# Altium PCB PCBV2.PcbDoc (continued)
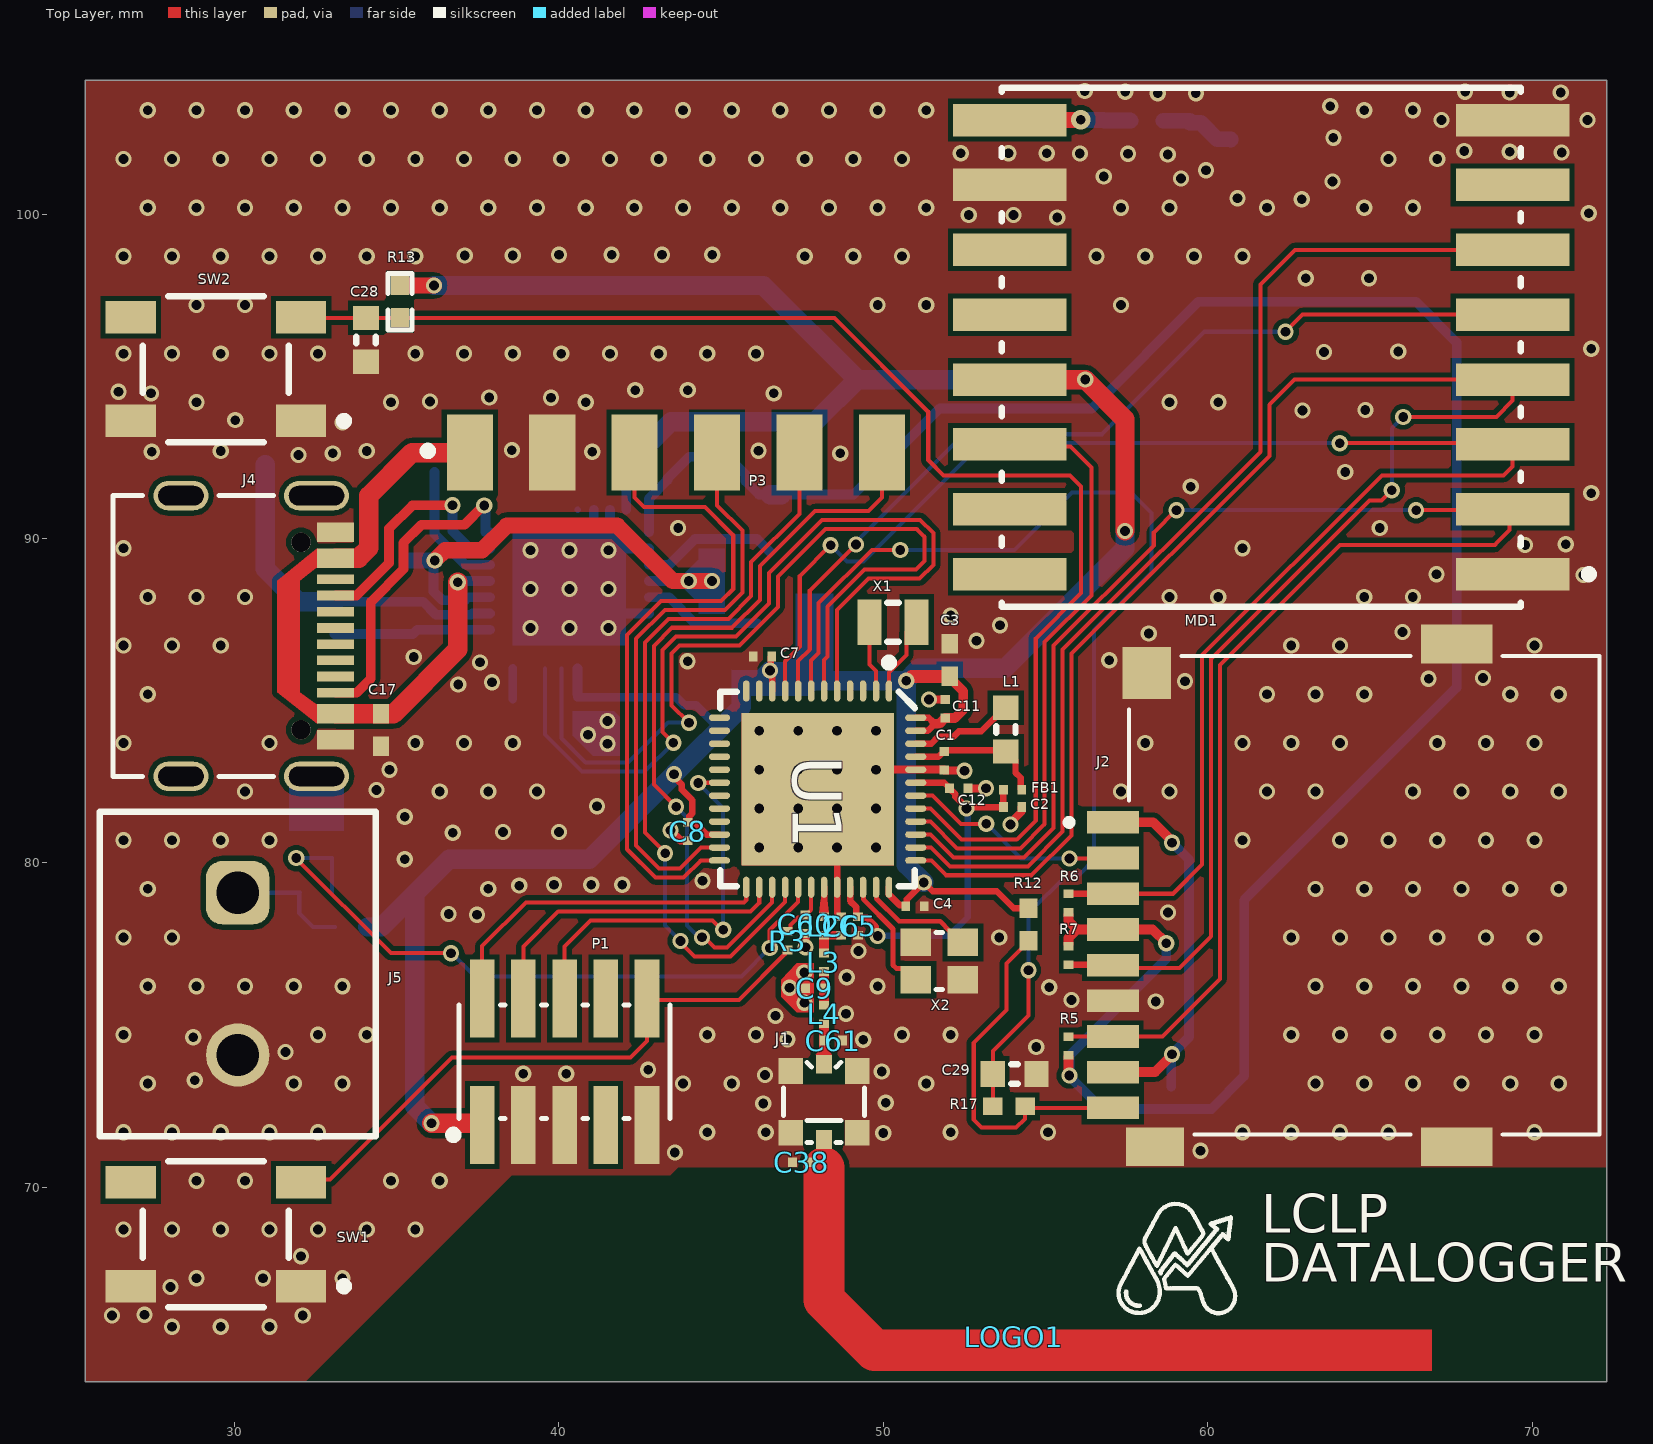
[diagram p0: Top Layer view]
## Part data (continued)
LOGO1: library part "Nordic Logo lying", "Nordic logo lying", Manufacturer=N.A., Part number NEMS=101100001, Artikkelnr Noca=N.A., Author=rsk, Component Class=Markings, Component Status=Active, ComponentLink1Description=Datasheet, ComponentLink1URL=N.A., ComponentLink2Description="Supplier link", ComponentLink2URL=N.A., Footprint Doc="Nordic Logo", HelpURL=N.A., LatestRevisionDate=2017-03-20, Manufacturer Part Number=N.A., Note=N.A., Pad Count=0, Part Number="Nordic Logo lying", Part number IPS=N.A., Part number Norautron=N.A., PartId=101100001, Published=2017-09-01, Supplier 1=N.A., Supplier 2=N.A., Supplier Part Number 1=N.A., Supplier Part Number 2=N.A.
MD1: library part CMP-00000-1, "RFM95W LoRA Transceiver Module 868MHz", Case/Package=SMD/SMT, Clock Frequency=868MHz, Current - Receiving=13.8mA, Current - Transmitting=120mA, Max Junction Temperature (Tj)=125°C, Max Operating Temperature=70°C, Max Supply Voltage=3.7V, Min Operating Temperature=-20°C, Min Supply Voltage=1.8V, Nominal Supply Current=5.8mA, Data Rate=300kbps, Frequency=868MHz, Height=1.8mm, Interface=SPI, Mounting Technology="Surface Mount", Number of GPIO=6, RoHS=Compliant, Sensitivity (dBm)=-123dBm
P1: library part "Pin Header 2x5 SMD, 1.27mm, KS", "Pin Header 2x5, 1.27mm (50mil), SMD, Keying Shroud", Manufacturer=WCON, Manufacturer Part Number=3132-10MS0BK00R5, Part number IPS=N.A., Part number NEMS=100500261, Artikkelnr Noca=N.A., Author=rsk, Component Class=Connectors, Component Status=Active, ComponentLink1Description=Datasheet, ComponentLink1URL=N.A., ComponentLink2Description="Supplier link", ComponentLink2URL=N.A., Footprint Doc=HDR_2x5-SMD-1.27mm, HelpURL=\\hizz\pro\app9717\Datasheet\connectors\W-CON\3132-XXMXXBK00XX.pdf, LatestRevisionDate=2024-02-02, Note="(Replaced 3132-10MS0BK00R1)", Pad Count=10, Part Number="Pin Header 2x5 SMD, 1.27mm, KS", Part number Norautron=N.A., PartId=100500261, Published=2016-01-22, Supplier 1=Cabcon, Supplier 2=N.A., Supplier Part Number 1=3132-10MS0BK00R5, Supplier Part Number 2=N.A., System=Connector
P3: library part CMP-002-00096-1, "Socket 1x6, 2.54mm (100mil), Right Angled, SMD", Manufacturer=W-CON, Manufacturer Part Number=2185-106ZS0CYNRX, Part number IPS=N.A., Part number NEMS=100500782, Artikkelnr Noca=N.A., Author=eisk, Component Class=Connectors, Component Status=Active, ComponentLink1Description=Datasheet, ComponentLink1URL=\\hizz\pro\app9717\Datasheet\connectors\W-CON\2185-1XXZG0CYNXX.pdf, ComponentLink2Description="Supplier link", ComponentLink2URL=N.A., Design Item ID="Socket Ang 1x6 SMD", Footprint Doc=SOCKET_1x6_SMD-ANG, HelpURL=N.A., LatestRevisionDate=2022-02-09, Note=N.A., Pad Count=6, Part Number="Socket Ang 1x6 SMD", Part number Norautron=N.A., PartId=100500782, Published=2022-01-25, Source=pca10152.SCHLIB, System=Connector
R3 R16 R17 R18: library part R0201-1k0, "Resistor, ±1%, 0.05W", Manufacturer=N.A., Part number IPS=00000005786, Part number NEMS=100100043, Artikkelnr Noca=N.A., Author=rsk, Component Class=Resistors, Component Status=Active, ComponentLink1Description=Datasheet, ComponentLink1URL=N.A., ComponentLink2Description="Supplier link", ComponentLink2URL=N.A., HelpURL=N.A., LatestRevisionDate=2014-11-13, Manufacturer Part Number=N.A., Note="Chip Res 1%", Pad Count=2, Part Number=R0201-1k0, Part number Norautron=N.A., PartId=100100043, Published=2014-11-13, Supplier 1=N.A., Supplier 2=N.A., Supplier Part Number 1=N.A., Supplier Part Number 2=N.A.
  R3: Footprint Doc=0201
R4 R5 R6 R7 R12: library part R0201-10k, "Resistor, ±1%, 0.05W", Manufacturer=N.A., Part number IPS=00000001255, Part number NEMS=100100065, Part number Norautron=26107101, Artikkelnr Noca=N.A., Author=rsk, Component Class=Resistors, Component Status=Active, ComponentLink1Description=Datasheet, ComponentLink1URL=N.A., ComponentLink2Description="Supplier link", ComponentLink2URL=N.A., Footprint Doc=0201, HelpURL=N.A., LatestRevisionDate=2014-11-13, Manufacturer Part Number=N.A., Note="Chip Res 1%", Pad Count=2, Part Number=R0201-10k, PartId=100100065, Published=2014-11-13, Supplier 1=N.A., Supplier 2=N.A., Supplier Part Number 1=N.A., Supplier Part Number 2=N.A.
R10: library part R0201-150k, "Resistor, ±1%, 0.05W", Manufacturer=N.A., Part number IPS=00000001422, Part number NEMS=100100082, Artikkelnr Noca=N.A., Author=rsk, Component Class=Resistors, Component Status=Active, ComponentLink1Description=Datasheet, ComponentLink1URL=N.A., ComponentLink2Description="Supplier link", ComponentLink2URL=N.A., Footprint Doc=0201, HelpURL=N.A., LatestRevisionDate=2014-11-13, Manufacturer Part Number=N.A., Note="Chip Res 1%", Pad Count=2, Part Number=R0201-150k, Part number Norautron=N.A., PartId=100100082, Published=2014-11-13, Supplier 1=N.A., Supplier 2=N.A., Supplier Part Number 1=N.A., Supplier Part Number 2=N.A.
R11 R13: library part R0402-N.C., "Not mounted", Manufacturer=N.A., Part number NEMS=100100281, Artikkelnr Noca=N.A., Assembly="Not mounted", Author=rsk, Component Class=Resistors, Component Status=Active, ComponentLink1Description=Datasheet, ComponentLink1URL=N.A., ComponentLink2Description="Supplier link", ComponentLink2URL=N.A., Footprint Doc=0402, HelpURL=N.A., LatestRevisionDate=2009-05-08, Manufacturer Part Number=N.A., Note="Chip Res", Pad Count=2, Part Number=R0402-N.C., Part number IPS=N.A., Part number Norautron=N.A., PartId=100100281, Published=2009-05-08, Supplier 1=N.A., Supplier 2=N.A., Supplier Part Number 1=N.A., Supplier Part Number 2=N.A.
SW1 SW2: library part CMP-011-00014-1, "Switch Tactile OFF Mom SPST Round Button Gull Wing 50mA 12VDC 100000Cycles 1.77N Surface Mount T/R", Max Current Rating=50mA, Max Operating Temperature=70°C, Min Operating Temperature=-40°C, Mounting Technology="Surface Mount", Throw Configuration=SPST
U1: library part nRF54L15-QFAAC00, "Multi-protocol Bluetooth Low Energy, IEEE 802.15.4 and 2.4GHz proprietary Wireless MCU", Manufacturer="Nordic Semiconductor", Part number IPS=N.A., Part number NEMS=102000382, Artikkelnr Noca=N.A., Author=stl1, Component Class=Nordic_Devices, Component Status=Active, ComponentLink1Description=Datasheet, ComponentLink1URL=N.A., ComponentLink2Description="Supplier link", ComponentLink2URL=N.A., Footprint Doc=QFN-48, HelpURL=N.A., LatestRevisionDate=2025-01-30, Manufacturer Part Number=nRF54L15-QFAAC00, Note=N.A., Pad Count=49, Part Number=nRF54L15-QFAAC00, Part number Norautron=N.A., PartId=102000382, Published=2025-01-30, Supplier 1="Nordic Semiconductor", Supplier 2=N.A., Supplier Part Number 1=nRF54L15-QFAAC00, Supplier Part Number 2=N.A.
U2: "Li-Ion/Li-Polymer USB-C battery charger with high efficiency buck regulators, LDOs or load switches, LED drivers, TWI and VBUSOUT", Manufacturer="Nordic Semiconductor", Part number IPS=N.A., Part number NEMS=102000291, Artikkelnr Noca=N.A., Author=eisk, Component Class=Nordic_Devices, Component Status=Active, ComponentLink1Description=Datasheet, ComponentLink1URL=N.A., ComponentLink2Description="Supplier link", ComponentLink2URL=N.A., Footprint Doc=QFN-32, HelpURL=N.A., LatestRevisionDate=2023-05-25, Manufacturer Part Number=nPM1300-QEAA, Note=N.A., Pad Count=33, Part Number=nPM1300-QEAA, Part number Norautron=N.A., PartId=102000291, Published=2022-02-17, Supplier 1="Nordic Semiconductor", Supplier 2=N.A., Supplier Part Number 1=nPM1300-QEAA, Supplier Part Number 2=N.A.
X1: library part XTAL_SMD2012_32.768kHz_9pF_TXC, "XTAL SMD 2012, 32.768kHz, 9pF, ±20ppm", Manufacturer="TXC Corporation", Manufacturer Part Number=9HT11-32.768KDZC-T, Part number IPS=N.A., Part number NEMS=101600107, Supplier Part Number 1=887-1426-2-ND, Artikkelnr Noca=N.A., Author=eisk, Component Class=Oscillators, Component Status=Active, ComponentLink1Description=Datasheet, ComponentLink1URL=http://www.txccrystal.com/images/pdf/9ht11.pdf, ComponentLink2Description="Supplier link", ComponentLink2URL=https://www.digikey.com/en/products/detail/9HT11-32.768KDZC-T/887-1426-1-ND/2403277, Footprint Doc=XTAL_2012, HelpURL=http://www.txccrystal.com/images/pdf/9ht11.pdf, LatestRevisionDate=2023-03-14, Note="XTAL SMD 32.768kHz", Pad Count=2, Part Number=XTAL_SMD2012_32.768kHz_9pF_TXC, Part number Norautron=N.A., PartId=101600107, Published=2014-03-28, Supplier 1=Digi-Key, Supplier 2=Mouser, Supplier Part Number 2=717-9HT11-32.7KDZC-T
X2: library part XTAL_SMD2016_32MHz_8pF_Kyocera, "XTAL SMD 2016, 32MHz, Cl=8pF, Tot: ±40ppm", Manufacturer=Kyocera, Manufacturer Part Number=CX2016DB32000D0WZRC1, Part number IPS=00000007827, Part number NEMS=101600039, Part number Norautron=26511136, Supplier Part Number 1=1253-1586-1-ND, Artikkelnr Noca=22010022, Author=rsk, Component Class=Oscillators, Component Status=Active, ComponentLink1Description=Datasheet, ComponentLink1URL=N.A., ComponentLink2Description="Supplier link", ComponentLink2URL=N.A., Footprint Doc=XTAL_2016, HelpURL=http://media.digikey.com/pdf/Data%20Sheets/AVX%20PDFs/CX2016DB32000D0WZRC1_Spec.pdf, LatestRevisionDate=2016-06-02, Note="XTAL SMD 32.000MHz", Pad Count=4, Part Number=XTAL_SMD2016_32MHz_8pF_Kyocera, PartId=101600039, Published=2015-10-15, Supplier 1=Digi-Key, Supplier 2=N.A., Supplier Part Number 2=N.A.

## Via types
v1: diameter 0.5, hole 0.3, Top Layer to Bottom Layer, tented both sides, 446 vias
v2: diameter 0.6, hole 0.3, Top Layer to Bottom Layer, tented both sides, 1 vias

## Nets (pads, with @x,y where several pads share a name; then routed paths per layer and width w, separated by ;. In a path a pad name is that pad's centre, name@x,y a point inside that pad or via, vN(x,y) a via of type N, cw(c..) or ccw(c..) an arc to the next point about the centre after c; other vN are vias at no path point)
ANT: C38.2 J1.3 | length 22.7
  Top Layer w1.27: 48.169,70.603 48.169,66.535 49.728,64.976 66.151,64.976
DCC: L1.1 U1.46 | length 3.2
  Top Layer w0.2: U1.46 51.476,83.675 51.689,83.888 52.161,83.888 52.331,84.057 53.022,84.057 53.75,84.785 L1.1
DECA: C2.2 C5.2 C12.2 FB1.2 U1.33 U1.43 | length 12
  Top Layer w0.2: U1.33 48.975,78.83 49.173,78.632 49.173,78.378 49.208,78.343 C5.2 49.258,78.308 49.496,78.308 49.768,78.037 49.768,77.807 v1(49.825,77.75) ; U1.43 51.88,82.475 52.04,82.315 C12.2@52.04,82.285 ; C12.2 C12.2@52.04,82.285 ; v1(52.566,81.679) 52.566,81.705 52.225,82.046 52.225,82.115 52.09,82.25 52.075,82.25 C12.2@52.04,82.285 ; v1@52.572,81.684 52.597,81.71 53.687,81.71 C2.2 FB1.2
  Bottom Layer w0.2: v1(49.825,77.75) 52.025,77.75 52.6,78.325 52.6,81.645 v1(52.566,81.679)
DECD: C1.2 FB1.1 L1.2 U1.45 | length 4.2
  Top Layer w0.2: U1.45 51.7,83.275 C1.2@51.86,83.435 ; C1.2 51.908,83.467 53.742,83.467 L1.2 ; L1.2@53.8,83.435 54.075,83.16 54.075,82.784 54.236,82.622 54.236,82.291 FB1.1
DIO0_LoRa: MD1.14 U1.40 | length 19
  Top Layer w0.125: U1.40 51.45,81.275 52.279,80.446 54.228,80.446 54.975,81.193 54.975,86.811 56.413,88.249 56.413,92.187 55.764,92.836 53.964,92.836 MD1.14
GND: C1.1 C2.1 C3.1 C4.2 C5.1 C6.1 C7.2 C8.2 C9.1 C11.2 C12.1 C13.1 C14.2 C15.1 C16.2 C17.1 C18.1 C19.2 C21.1 C22.1 C23.1 C24.1 C26.1 C28.1 C29.1 C30.1 C31.1 C32.1 C33.1 C38.1 C59.2 C60.1 C61.1 J1.2 J2.6 J2.G1 J2.G2 J2.G3 J2.G4 J4.A1 J4.A12 J5.2 J7.1 J8.2 MD1.1 MD1.8 MD1.10 P1.3 P1.5 P1.9 P3.2 R10.2 SW1.1 SW1.2 SW2.1 SW2.2 U1.32 U1.44 U1.49 U2.2 U2.6 U2.17 U2.28 U2.29 U2.30 U2.31 U2.33 X2.2 X2.4 | length 18.2
  Top Layer w0.2: v1(48.575,80.475) U1.32 48.575,78.455 48.692,78.338 C6.1
  Top Layer w0.25: v1(43.438,81.008) 43.75,80.695 43.961,80.695 C8.2@43.97,80.687 ; v1(47.108,76.15) 47.119,76.139 47.597,76.139 C9.1 ; v1(47.564,76.619) 47.602,76.581 C9.1 ; v1(47.571,75.692) 47.599,75.721 47.599,76.131 C9.1 ; v1(47.599,77.397) 47.597,77.399 47.597,77.813 C60.1@47.6,77.816 ; U1.49 v1(48.575,82.875) v1(49.775,82.875) U1.44 C1.1@51.865,82.875 ; v1(51.407,85.036) 51.409,85.038 51.904,85.038 C11.2 ; C1.1 51.885,82.855 52.483,82.855 v1(52.5,82.838) v1@52.548,82.791 ; C12.1 v1(53.166,82.3) ; v1(53.923,81.183) 53.923,81.24 54.261,81.579 54.261,81.714 C2.1
  Bottom Layer w0.2: U2.29 U2.29@40.579,90.894
  Bottom Layer w0.27: v1(40.326,88.441) U2.33@41.076,87.691 ; C19.2 C19.2@40.59,84.535 ; U2.30 U2.30@41.082,90.897
  Bottom Layer w0.3: U2.33@41.076,87.691 U2.6 ; U2.33@41.076,89.191 U2.30 ; U2.31 41.576,89.691 U2.2
  other v1: 28.075,65.7 29.575,65.7 31.075,65.7 26.225,66.05 32.1,66.05 27.225,66.075 28.025,66.925 28.825,67.2 30.875,67.2 33.325,67.2 32.05,67.875 26.575,68.7 28.075,68.7 29.575,68.7 31.075,68.7 32.575,68.7 34.075,68.7 35.575,68.7 28.825,70.2 30.325,70.2 34.825,70.2 36.325,70.2 43.575,71.075 59.775,71.125 50,71.675 26.575,71.7 28.075,71.7 29.575,71.7 31.075,71.7 32.575,71.7 44.575,71.7 46.375,71.7 52.075,71.7 55.075,71.7 61.075,71.7 62.575,71.7 64.075,71.7 65.575,71.7 70.075,71.7 46.299,72.582 50.074,72.607 27.325,73.2 31.825,73.2 33.325,73.2 43.825,73.2 45.325,73.2 51.325,73.2 63.325,73.2 64.825,73.2 66.325,73.2 67.825,73.2 69.325,73.2 70.825,73.2 28.775,73.3 46.353,73.464 38.9,73.5 40.225,73.5 49.953,73.572 42.75,73.625 31.575,74.175 54.717,74.328 49.381,74.552 47.043,74.563 28.725,74.625 26.575,74.7 32.575,74.7 34.075,74.7 44.575,74.7 46.075,74.7 50.575,74.7 52.075,74.7 62.575,74.7 64.075,74.7 65.575,74.7 67.075,74.7 68.575,74.7 70.075,74.7 46.676,75.285 48.85,75.35 58.4,75.725 55.8,75.775 55.114,76.165 27.325,76.2 28.825,76.2 30.325,76.2 31.825,76.2 33.325,76.2 49.825,76.2 63.325,76.2 64.825,76.2 66.325,76.2 67.825,76.2 69.325,76.2 70.825,76.2 48.875,76.475 49.233,77.288 26.575,77.7 28.075,77.7 53.575,77.7 62.575,77.7 64.075,77.7 65.575,77.7 67.075,77.7 68.575,77.7 70.075,77.7 37.475,78.4 36.6,78.425 58.775,78.475 27.325,79.2 37.825,79.2 63.325,79.2 64.825,79.2 66.325,79.2 67.825,79.2 69.325,79.2 70.825,79.2 38.775,79.3 39.85,79.325 41,79.325 41.95,79.325 44.425,79.45 35.246,80.112 46.175,80.475 47.375,80.475 49.775,80.475 26.575,80.7 28.075,80.7 29.575,80.7 31.075,80.7 61.075,80.7 64.075,80.7 65.575,80.7 67.075,80.7 68.575,80.7 70.075,80.7 36.73,80.931 38.28,80.956 40.005,80.956 35.25,81.425 46.175,81.675 47.375,81.675 48.575,81.675 49.775,81.675 41.175,81.75 30.325,82.2 36.325,82.2 37.825,82.2 39.325,82.2 57.325,82.2 58.825,82.2 61.825,82.2 63.325,82.2 66.325,82.2 67.825,82.2 69.325,82.2 70.825,82.2 34.375,82.25 34.775,82.875 46.175,82.875 47.375,82.875 41.5,83.675 26.575,83.7 31.075,83.7 35.575,83.7 37.075,83.7 38.575,83.7 58.075,83.7 61.075,83.7 62.575,83.7 64.075,83.7 67.075,83.7 68.575,83.7 70.075,83.7 40.9,83.95 46.175,84.075 47.375,84.075 48.575,84.075 49.775,84.075 41.5,84.375 27.325,85.2 61.825,85.2 63.325,85.2 64.825,85.2 69.325,85.2 70.825,85.2 36.9,85.5 37.939,85.572 59.3,85.6 66.811,85.674 68.486,85.699 37.568,86.183 43.968,86.218 56.962,86.25 35.525,86.35 26.575,86.7 28.075,86.7 29.575,86.7 62.575,86.7 64.075,86.7 70.075,86.7 52.875,86.85 58.186,87.074 66.006,87.116 39.126,87.241 40.326,87.241 41.526,87.241 53.6,87.325 52.075,87.625 27.325,88.2 28.825,88.2 30.325,88.2 58.825,88.2 60.325,88.2 64.825,88.2 66.325,88.2 39.126,88.441 41.526,88.441 71.586,88.874 67.05,88.9 39.126,89.641 40.326,89.641 41.526,89.641 26.575,89.7 61.075,89.7 69.786,89.799 71.036,89.824 43.675,90.325 65.306,90.325 71.825,91.4 59.475,91.6 64.239,92.053 31.975,92.575 33.025,92.625 48.675,92.625 27.45,92.675 41.025,92.675 29.575,92.7 34.075,92.7 46.153,92.707 38.55,92.725 33.325,93.575 30.025,93.65 62.919,93.949 64.86,93.964 28.825,94.2 34.825,94.2 40.825,94.2 58.825,94.2 60.325,94.2 36.025,94.225 39.755,94.338 37.85,94.35 27.425,94.475 46.625,94.475 26.425,94.525 42.35,94.575 43.975,94.575 26.575,95.7 28.075,95.7 29.575,95.7 31.075,95.7 32.575,95.7 35.575,95.7 37.075,95.7 38.575,95.7 40.075,95.7 41.575,95.7 43.075,95.7 44.575,95.7 46.075,95.7 63.586,95.753 65.877,95.769 71.825,95.85 28.825,97.2 30.325,97.2 49.825,97.2 51.325,97.2 57.325,97.2 63.025,98.025 64.975,98.025 26.575,98.7 28.075,98.7 29.575,98.7 31.075,98.7 32.575,98.7 34.075,98.7 35.575,98.7 47.575,98.7 49.075,98.7 50.575,98.7 56.575,98.7 58.075,98.7 59.575,98.7 61.075,98.7 37.1,98.725 38.575,98.725 40,98.75 41.625,98.75 43.175,98.75 44.725,98.75 55.361,99.899 52.636,99.974 54.011,99.974 71.75,100.025 27.325,100.2 28.825,100.2 30.325,100.2 31.825,100.2 33.325,100.2 34.825,100.2 36.325,100.2 37.825,100.2 39.325,100.2 40.825,100.2 42.325,100.2 43.825,100.2 45.325,100.2 46.825,100.2 48.325,100.2 49.825,100.2 51.325,100.2 57.325,100.2 58.825,100.2 61.825,100.2 64.825,100.2 66.325,100.2 62.899,100.457 60.921,100.492 63.849,101.007 59.175,101.1 56.795,101.164 59.95,101.35 26.575,101.7 28.075,101.7 29.575,101.7 31.075,101.7 32.575,101.7 34.075,101.7 35.575,101.7 37.075,101.7 38.575,101.7 40.075,101.7 41.575,101.7 43.075,101.7 44.575,101.7 46.075,101.7 47.575,101.7 49.075,101.7 50.575,101.7 65.575,101.7 67.075,101.7 58.767,101.837 57.545,101.864 52.386,101.874 53.861,101.874 55.036,101.874 56.059,101.873 70.911,101.899 69.311,101.924 67.911,101.949 63.874,102.357 67.211,102.899 71.711,102.899 27.325,103.2 28.825,103.2 30.325,103.2 31.825,103.2 33.325,103.2 34.825,103.2 36.325,103.2 37.825,103.2 39.325,103.2 40.825,103.2 42.325,103.2 43.825,103.2 45.325,103.2 46.825,103.2 48.325,103.2 49.825,103.2 51.325,103.2 64.825,103.2 66.325,103.2 63.778,103.323 58.461,103.724 59.636,103.724 69.311,103.749 70.886,103.749 57.461,103.774 67.936,103.774 56.211,103.799
GPIO0: U2.7
GPIO1: U2.8
GPIO2: U2.9
GPIO3: U2.10
GPIO4: U2.11
NetC6_2: C6.2 L2.2 L3.1 | length 1
  Top Layer w0.27: L2.2 C6.2
  Top Layer w0.3: L3.1@48.171,77.3 L2.2@48.171,77.749
NetC9_2: C9.2 L3.2 L4.1 | length 0.9
  Top Layer w0.3: L4.1@48.172,75.684 C9.2 L3.2@48.172,76.634
NetC32_2: C32.2 MD1.9 R18.2 | length 3.7
  Top Layer w0.481: MD1.9 53.903,102.903 56.081,102.903 v2(56.085,102.906)
  Bottom Layer w0.481: v2(56.085,102.906) 56.088,102.903 56.797,102.903 C32.2 56.8,102.897 56.809,102.888 57.612,102.888 R18.2
NetC33_2: C33.2 J8.1 R18.1 | length 2.3
  Bottom Layer w0.481: R18.1 C33.2 ; C33.2@59.455,102.82 59.459,102.816 59.784,102.816 60.291,102.309 60.706,102.309 J8.1
NetC59_1: C59.1 J4.SHLD
NetC60_2: C60.2 R3.1 U1.30 | length 1.8
  Top Layer w0.125: R3.1 47.064,77.889 47.136,77.961 47.136,78.09 47.366,78.32 47.523,78.32 C60.2 ; C60.2@47.601,78.383 47.775,78.556 U1.30
NetJ2_1: J2.1 J2.8 R4.2 | length 12.2
  Top Layer w0.3: J2.8 57.079,73.554 58.379,73.554 58.9,74.075 v1(58.9,74.101) ; J2.1 58.325,81.25 58.9,80.675 v1(58.9,80.625)
  Bottom Layer w0.3: R4.2@58.875,73.1 58.875,74.076 59.425,74.626 59.425,80.1 v1(58.9,80.625)
NetJ2_CD: J2.CD R12.1 R17.2 | length 11.2
  Top Layer w0.125: R17.2@54.3,72.45 54.375,72.45 J2.CD ; R17.2 54.365,72.49 54.365,72.111 54.094,71.84 53.032,71.84 52.787,72.085 52.787,74.45 53.8,75.462 53.8,76.9 54.475,77.575 R12.1
NetJ4_A5: J4.A5 U2.23 | length 7.5
  Top Layer w0.3: J4.A5 33.763,88.245 34.763,89.244 34.763,90.307 35.481,91.025 v1(36.718,91.025)
  Bottom Layer w0.3: v1(36.718,91.025) 36.718,90.232 37.259,89.691 U2.23
NetJ4_B5: J4.B5 U2.24 | length 9.8
  Top Layer w0.3: J4.B5 33.763,85.245 34.2,85.682 34.2,88.045 35.213,89.058 35.213,89.871 35.767,90.425 37.088,90.425 37.68,91.017 v1(37.698,91.017)
  Bottom Layer w0.3: v1(37.698,91.017) 37.736,90.979 37.736,90.191 U2.24
NetJ5_1: J5.1 R11.1 R16.2 | length 3.8
  Bottom Layer w0.125: J5.1 R16.2@31.982,79.081 ; R16.2@32.02,79.094 R16.2 31.995,78.455 32.425,78.025 R11.1
NetL2_1: L2.1 U1.31 | length 0.9
  Top Layer w0.2: L2.1 48.175,78.342 U1.31
nRF54_RESET: P1.10 R3.2 SW1.3 | length 18.8
  Top Layer w0.125: SW1.3 32.139,70.239 32.939,70.239 36.7,74 42.2,74 42.711,74.511 P1.10@42.711,75.78 ; P1.10 42.76,75.78 45.557,75.78 46.961,77.185 46.961,77.246 47.034,77.319 R3.2
NTC_IN: J7.2 U2.18 | length 4.8
  Bottom Layer w0.3: J7.2 35.498,87.055 35.634,87.191 U2.18
P0.00: P3.4 U1.23 | length 18
  Top Layer w0.125: P3.4 44.875,91.025 45.653,90.247 45.653,88.339 45.114,87.8 43.264,87.8 42.375,86.911 42.375,80.535 43.086,79.824 43.733,79.824 44.384,80.475 U1.23
P0.01: P3.3 U1.24 | length 20.5
  Top Layer w0.125: P3.3 42.335,91.265 42.625,90.975 44.5,90.975 45.374,90.101 45.374,88.449 45,88.075 43.15,88.075 42.1,87.025 42.1,80.421 42.972,79.549 43.847,79.549 44.373,80.075 U1.24
P0.02: P3.6 U1.27 | length 23.9
  Top Layer w0.125: v1(43.613,81.732) 42.925,82.42 42.925,86.683 43.492,87.25 45.342,87.25 46.203,88.111 46.203,89.156 47.898,90.851 49.537,90.851 49.955,91.269 P3.6 ; v1(44.413,77.705) 44.485,77.705 44.802,77.387 45.183,77.387 46.575,78.78 U1.27
  Bottom Layer w0.125: v1(43.613,81.732) 43.95,81.395 43.95,78.066 44.311,77.705 v1(44.413,77.705)
P0.03: P3.5 U1.28 | length 23.2
  Top Layer w0.125: v1(43.274,80.3) 43.274,80.321 42.65,80.945 42.65,86.797 43.378,87.525 45.228,87.525 45.928,88.225 45.928,89.27 47.415,90.757 P3.5 ; v1(43.748,77.592) 43.748,77.545 44.183,77.111 45.295,77.111 46.975,78.791 U1.28
  Bottom Layer w0.125: v1(43.274,80.3) 43.274,78.066 v1(43.748,77.592)
P0.04: C26.2 R16.1 U1.29 | length 20.9
  Top Layer w0.125: v1(31.9,80.15) 31.9,80.139 34.822,77.216 v1(36.672,77.216) ; v1(46.499,77.376) 46.499,77.925 47.018,78.444 47.375,78.801 U1.29
  Bottom Layer w0.125: v1(31.9,80.15) C26.2 R16.1@33,79.099 ; v1(36.672,77.216) 36.692,77.216 37.409,76.5 45.623,76.5 v1(46.499,77.376)
P1.00/XL1: U1.1 X1.2 | length 2.5
  Top Layer w0.125: U1.1 50.175,85.875 50.713,86.412 50.713,87.113 X1.2
P1.01/XL2: U1.2 X1.1 | length 2.2
  Top Layer w0.125: X1.1 49.575,86.117 49.775,85.917 U1.2
P1.02/NFC1: U1.3
P1.03/NFC2: U1.4
P1.04: U1.5 U2.14 | length 27.6
  Top Layer w0.125: v1(43.528,83.704) 43.2,84.032 43.2,86.569 43.606,86.975 45.456,86.975 46.478,87.997 46.478,88.94 48.114,90.576 51.137,90.576 51.544,90.168 51.544,89.189 51.121,88.766 49.54,88.766 48.575,87.801 U1.5
  Bottom Layer w0.125: U2.14 39.576,83.955 40.713,82.817 42.642,82.817 v1(43.528,83.704)
P1.05: U1.6 U2.13 | length 26.3
  Top Layer w0.125: v1(44.007,84.323) 43.475,84.855 43.475,86.455 43.72,86.7 45.57,86.7 46.753,87.884 46.753,88.826 48.221,90.294 51.03,90.294 51.269,90.054 51.269,89.303 51.007,89.041 49.427,89.041 48.283,87.898 48.283,86.358 48.175,86.25 U1.6
  Bottom Layer w0.125: U2.13 40.076,83.843 40.827,83.092 42.132,83.092 43.37,84.33 44,84.33 v1(44.007,84.323)
P1.06: C29.2 R17.1 U1.7 | length 35.3
  Top Layer w0.125: U1.7 47.775,86.239 48.008,86.472 48.008,88.012 49.647,89.65 v1(50.525,89.65) ; R17.1 C29.2 53.375,74.2 54.475,75.3 v1(54.475,76.695)
  Bottom Layer w0.125: v1(50.525,89.65) 54.05,89.65 55.822,91.422 57.636,91.422 57.855,91.204 58.273,90.786 58.273,88.948 56.5,87.175 56.5,80.1 56.05,79.65 55.673,79.65 54.475,78.452 v1(54.475,76.695)
P1.07: MD1.5 U1.8 | length 28.5
  Top Layer w0.125: U1.8 47.375,86.228 47.733,86.586 47.733,88.394 v1(49.156,89.817) ; v1(62.4,96.375) 62.925,96.9 MD1.5
  Bottom Layer w0.125: v1(49.156,89.817) 49.156,89.889 52.483,93.215 56.74,93.215 59.9,96.375 v1(62.4,96.375)
P1.08: J2.3 MD1.3 R6.2 U1.9 | length 51.4
  Top Layer w0.125: U1.9 46.975,86.217 47.425,86.667 47.425,88.85 48.37,89.795 v1(48.376,89.795) ; J2.3@57.072,79.047 J2.3 58.925,79.05 59.825,79.95 59.825,86.403 65.372,91.95 69.125,91.95 69.4,92.225 MD1.3 69.36,92.94 v1(64.074,92.94)
  Top Layer w0.2: R6.2 J2.3@57.072,79.047
  Bottom Layer w0.125: v1(48.376,89.795) 48.876,89.295 49.395,89.295 53.04,92.94 v1(64.074,92.94)
P1.09: J2.5 MD1.4 R7.2 U1.37 | length 56.9
  Top Layer w0.125: U1.37 51.483,80.075 51.937,79.621 54.57,79.621 55.8,80.851 55.8,86.45 61.9,92.55 61.9,94.125 62.675,94.9 68.15,94.9 MD1.4 69.4,94.25 68.897,93.747 66.028,93.747 v1(66.025,93.75) ; J2.5 57.16,76.765 59.126,76.765 60.1,77.739 60.1,86.289 64.986,91.175 65.363,91.175 v1(65.675,91.487)
  Top Layer w0.2: R7.2 J2.5@57.075,76.863
  Bottom Layer w0.125: v1(65.675,91.487) 65.675,93.4 v1(66.025,93.75)
P1.10: MD1.6 U1.38 | length 32.8
  Top Layer w0.125: U1.38 51.472,80.475 52.051,79.896 54.456,79.896 55.525,80.965 55.525,86.575 61.625,92.675 61.625,97.836 62.689,98.9 MD1.6
P1.11: J2.7 MD1.2 R5.2 U1.39 | length 53.1
  Top Layer w0.125: U1.39 51.461,80.875 52.165,80.171 54.342,80.171 55.25,81.079 55.25,86.697 58.337,89.785 58.337,90.187 59.024,90.874 v1(59.036,90.874) ; R5.2 57.069,74.644 J2.7 58.6,74.65 60.375,76.425 60.375,86.1 64.075,89.8 68.852,89.8 68.925,89.873 68.925,89.875 69.306,90.256 69.306,90.656 MD1.2@69.525,90.875 ; v1(66.425,90.875) 69.375,90.875 MD1.2
  Bottom Layer w0.125: v1(59.036,90.874) v1@66.425,90.875
P1.13: C28.2 R13.1 SW2.3 U1.41 | length 42.3
  Top Layer w0.125: SW2.3 32.1,96.825 32.125,96.8 C28.2 R13.1 48.493,96.8 51.385,93.908 51.385,92.415 51.85,91.95 55.75,91.95 56.1,91.6 56.1,88.325 54.7,86.925 54.7,81.307 54.114,80.721 52.404,80.721 51.45,81.675 U1.41
P1.14: J2.2 U1.42 | length 6.9
  Top Layer w0.125: U1.42 51.515,82.075 52.39,81.2 53.165,81.2 v1(53.175,81.21) ; v1(55.74,80.137) 57.062,80.137 J2.2
  Bottom Layer w0.125: v1(53.175,81.21) 54.248,80.137 v1(55.74,80.137)
P2.00: U1.11
P2.01: U1.12
P2.02: U1.13
P2.03: U1.14
P2.04: U1.15
P2.05: U1.16
P2.06: U1.17
P2.07: P1.6 U1.18 | length 12.4
  Top Layer w0.125: P1.6 40.175,77.425 40.979,78.229 44.735,78.229 45.026,77.938 v1(45.063,77.938) ; v1(44.293,82.467) 44.297,82.471 44.946,82.471 U1.18
  Bottom Layer w0.125: v1(44.293,82.467) 45.063,81.696 v1(45.063,77.938)
P2.08: U1.19
P2.09: U1.20
P2.10: U1.21
RF: C61.2 J1.1 L4.2 | length 1.2
  Top Layer w0.3: J1.1 48.172,73.795 C61.2@48.172,74.525 ; C61.2@48.172,74.527 L4.2@48.172,75
SHPHLD: U2.15
SW1: L6.2 U2.3 | length 4.2
  Bottom Layer w0.3: U2.3 43.399,89.191 44.19,89.982 46.111,89.982 L6.2
SW2: L5.2 U2.5 | length 3.7
  Bottom Layer w0.3: U2.5 43.391,88.191 44.197,87.385 L5.2
SWDCLK: P1.4 U1.26 | length 9.9
  Top Layer w0.125: P1.4 38.905,77.43 39.979,78.504 45.91,78.504 46.175,78.769 U1.26
SWDIO: P1.2 U1.25 | length 10.7
  Top Layer w0.125: P1.2 37.635,77.435 38.979,78.779 45.702,78.779 45.775,78.852 U1.25
VBAT: C18.2 J7.3 U2.19 | length 10.7
  Bottom Layer w0.3: J7.3 35.809,88.055 36.213,87.65 37.293,87.65 37.334,87.691 U2.19
  Bottom Layer w0.6: C18.2 30.95,89.065 31.96,88.055 J7.3
VBUS: C17.2 J4.A4 J4.A9 P3.1 U2.21 | length 14.1
  Top Layer w0.3: J4.A9 J4.A9@33.13,84.585
  Top Layer w0.6: J4.A4 33.825,89.395 34.139,89.709 34.139,91.314 35.475,92.65 P3.1 ; J4.A9@33.13,84.595 C17.2 ; C17.2 34.896,84.596 36.879,86.579 v1(36.879,88.65)
  Bottom Layer w0.3: v1(36.879,88.65) 36.933,88.65 36.974,88.691 U2.21
VBUSOUT: C23.2 U2.22 | length 4
  Bottom Layer w0.3: C23.2@36.168,92.05 36.168,90.137 37.114,89.191 U2.22
VDD:nRF: C3.2 C4.1 C7.1 C8.1 C11.1 C13.2 C14.1 C19.1 C24.2 L5.1 MD1.13 P1.1 R11.2 R12.2 R13.2 U1.10 U1.22 U1.36 U1.47 U1.48 U2.12 U2.32 | length 101.4
  Top Layer w0.2: v1(43.55,82.735) 43.55,82.654 43.793,82.412 43.793,82.259 44.113,81.939 44.113,81.525 44.021,81.433 44.021,81.29 43.998,81.267 C8.1@43.96,81.267 ; C8.1@44.006,81.22 44.212,81.22 44.557,80.875 U1.22 ; C7.1 46.535,86.335 46.535,85.959 v1(46.508,85.932) 46.508,85.851 46.575,85.785 U1.10 ; U1.36 50.175,79.025 50.5,78.7 50.66,78.7 C4.1 C4.1 ; C4.1@50.695,78.678 50.73,78.713 50.73,78.88 v1(51.25,79.4) 51.525,79.125 53.5,79.125 54.025,78.6 R12.2 ; U1.47 51.375,84.075 51.517,84.217 51.517,84.358 51.4,84.475 U1.48 ; R12.2@54.548,78.608 R12.2@54.556,78.6
  Top Layer w0.3: R13.2 R13.2 ; 51.591,84.288 51.594,84.29 51.727,84.29 C11.1 52.206,84.47 52.465,84.729 52.465,85.285 52.05,85.7 C3.2
  Top Layer w0.4: v1(50.708,85.617) 50.735,85.617 50.868,85.75 C3.2
  Top Layer w0.5: R13.2 v1(36.15,97.8)
  Top Layer w0.6: v1(36.075,71.975) 37.585,71.975 P1.1 ; MD1.13 v1(56.225,94.9) 57.451,93.674 v1(57.451,90.235)
  Bottom Layer w0.27: C19.1 43.617,85.105 43.862,84.86 44.227,84.86 44.743,84.343
  Bottom Layer w0.3: C19.1@40.576,85.2 U2.12 ; U2.32 42.076,91.901 42.1,91.925
  Bottom Layer w0.6: R11.2 34.526,78.025 36.614,80.113 40.937,80.113 43.55,82.726 v1(43.55,82.735) 45.625,84.81 45.625,85.475 C24.2 ; 35.55,78.964 35.55,72.5 v1(36.075,71.975) ; v1(36.15,97.8) 46.3,97.8 49.2,94.9 ; 42.1,91.925 42.1,92.242 43.458,93.6 47.9,93.6 49.2,94.9 ; 47.642,85.617 v1(50.708,85.617) ; 50.707,85.322 50.707,79.943 v1(51.25,79.4) ; 50.708,85.323 v1(50.708,85.617) ; v1(56.225,94.9) C13.2 49.925,94.9 49.2,94.9 ; v1(57.451,90.235) 57.451,89.701 53.75,86 51.091,86 v1(50.708,85.617)
VDD:SD: C15.2 C16.1 C31.2 J2.4 L6.1 R4.1 R5.1 R6.1 R7.1 U2.1 | length 71.6
  Top Layer w0.3: R6.1@55.711,78.4 55.711,78.214 55.975,77.95 ; R5.1@55.712,74.025 55.712,73.467 v1(55.736,73.444) ; R7.1@55.712,77.5 55.712,77.687 55.975,77.95 ; v1(58.725,77.525) 58.3,77.95 J2.4 55.975,77.95
  Bottom Layer w0.3: U2.1 42.776,91.226 43.35,91.8 C31.2 43.35,91.85 44.025,92.525 45.199,92.525 45.749,91.975 45.749,91.769 46.164,91.354 L6.1 ; L6.1@46.854,91.354 49.079,91.354 51.737,94.012 56.428,94.012 59.716,97.3 66.424,97.3 67.675,96.049 67.675,85.403 61.125,78.853 C16.1 C15.2 61.125,73.425 60.115,72.415 60,72.415 58.945,72.415 R4.1 56.744,72.415 55.736,73.423 v1(55.736,73.444) 55.743,73.45 55.743,74.068 58.725,77.05 v1(58.725,77.525)
  Bottom Layer w0.6: L6.1 L6.1@46.854,91.354
VSET2: R10.1 U2.16 | length 0.9
  Bottom Layer w0.27: R10.1 R10.1@38.577,85.16 ; R10.1@38.576,85.161 U2.16
VSYS: C21.2 C22.2 C30.2 U2.4 U2.20 | length 14.7
  Top Layer w0.5: v1(36.175,89.325) 36.489,89.639 37.628,89.639 38.389,90.4 41.8,90.4 43.507,88.693 v1(44,88.693) 44.002,88.691 v1(44.72,88.691)
  Bottom Layer w0.3: v1(36.175,89.325) 36.137,89.287 36.137,88.367 36.403,88.1 37.107,88.1 37.198,88.191 U2.20 ; U2.4 43.999,88.691 v1(44,88.693)
  Bottom Layer w0.5: C22.2 v1(36.175,89.325)
XC1: U1.34 X2.1 | length 3.7
  Top Layer w0.15: U1.34 49.385,79.24 49.385,78.88 50.3,77.964 50.3,76.85 50.4,76.75 50.65,76.75 X2.1
XC2: U1.35 X2.3 | length 3.6
  Top Layer w0.15: U1.35 49.785,79.24 49.785,78.904 50.489,78.2 51.75,78.2 52.05,77.9 52.4,77.55 X2.3
pads on no net: J4. J4.0 J4.A6 J4.A7 J4.A8 J4.B6 J4.B7 J4.B8 J7.0 J8.3 MD1.7 MD1.11 MD1.12 MD1.15 MD1.16 P1.7 P1.8 SW1.4 SW2.4 U2.25 U2.26 U2.27

## Polygon pours and split planes (outlines as drawn)
GND on GND "Layer2-GND" (solid, pour order 0): 46.758,70.625 46.758,73.728 47.425,74.5 47.425,75.25 47.25,75.25 46.7,75.8 46.7,76.475 47.227,77.05 47.75,77.05 47.75,78.048 48.975,78.048 48.975,74.374 49.575,73.75 49.575,70.625 72.3,70.625 72.3,104.125 25.4,104.125 25.4,64.002 32.177,64.002 38.55,70.375 43.425,70.375 43.675,70.625
GND on GND_2 "Layer3-GND" (solid, pour order 3): 46.759,70.625 46.759,73.729 47.425,74.5 47.425,75.25 47.25,75.25 46.7,75.8 46.7,76.475 47.227,77.05 47.75,77.05 47.75,78.048 48.975,78.048 48.975,74.35 49.575,73.75 49.575,70.625 72.3,70.625 72.3,104.125 25.4,104.125 25.4,64.002 32.177,64.002 38.55,70.375 43.425,70.375 43.675,70.625
GND on Bottom Layer "Layer4-GND" (solid, pour order 4): 25.4,64.002 32.176,64.002 38.55,70.375 43.425,70.375 43.675,70.625 72.3,70.625 72.3,104.125 25.4,104.125
GND on Top Layer "Layer1-GND" (solid, pour order 1): 43.425,70.375 43.675,70.625 47.384,70.625 72.3,70.625 72.3,104.125 25.4,104.125 25.4,64.002 32.177,64.002 38.55,70.375

## Other copper
Top Layer:
  rectangle net GND: 45.625,79.925 50.325,84.625
  region net ANT: 66.151,65.611 66.151,64.341 66.913,64.341 66.913,65.611
  region net GND: 47.85,76.9 47.848,76.898 47.848,75.4 47.325,75.4 46.85,75.875 46.85,76.4 47.325,76.9
  region net VBUS: 32.549,89.695 32.152,89.375 31.319,88.705 31.319,85.255 32.549,84.296 32.549,84.895 32.512,84.895 32.004,85.255 32.004,88.705 32.512,89.095 32.549,89.095
GND:
  pour cut-out: 56.353,103.297 59.81,103.297 60.363,103.85 63.472,103.85 63.472,100.75 63.162,100.75 60.238,100.75 60.238,101.802 59.552,102.487 56.353,102.484
  pour cut-out: 49.575,70.625 49.575,73.75 48.975,74.374 48.975,78.048 47.75,78.048 47.75,77.05 47.225,77.05 46.7,76.475 46.7,75.8 47.25,75.25 47.425,75.25 47.425,74.725 47.425,74.5 46.759,73.729 46.759,70.625
GND_2:
  pour cut-out: 56.353,103.297 59.81,103.297 60.363,103.85 63.472,103.85 63.472,100.75 63.162,100.75 60.238,100.75 60.238,101.802 59.552,102.487 56.353,102.484
  pour cut-out: 49.575,70.625 49.575,73.75 48.975,74.374 48.975,78.048 47.75,78.048 47.75,77.05 47.225,77.05 46.7,76.475 46.7,75.8 47.25,75.25 47.425,75.25 47.425,74.725 47.425,74.5 46.759,73.729 46.759,70.625
Bottom Layer:
  rectangle net GND: 38.572,86.696 42.072,90.196
  region net VDD:SD: 58.865,72.565 58.865,72.265 59.025,72.265 59.025,72.565
  rectangle net NetC59_1: 31.682,80.99 33.378,82.954
  pour cut-out: 38.475,90.3 42.175,90.3 42.175,86.6 38.475,86.6
  region net VDD:nRF: 45.325,85.95 45.328,85.947 46.119,85.947 46.361,86.189 47.045,86.189 47.045,85.155 45.327,85.155
  region net VDD:nRF: 41.8,92.025 42.4,92.025 42.4,91.655 42.193,91.449 41.959,91.449 41.8,91.65
  region net GND: 40.426,84.67 40.426,83.924 41.04,83.31 41.409,83.31 41.875,83.31 41.875,84.5 41.706,84.669
  region net VDD:nRF: 47.309,88.293 47.309,86.458 46.638,85.787 46.638,85.15 47.75,85.15 48.459,85.858 48.459,88.293
  region net VSYS: 43.789,88.832 44.314,89.357 44.314,89.682 45.114,89.682 45.114,87.682 44.314,87.682 44.314,88.007 43.789,88.532
  pour cut-out: 56.353,103.297 59.784,103.297 59.784,102.49 56.353,102.486

## Silkscreen, mask and mechanical layers (free items; w line width, h text height)
Top Overlay:

## Text inside footprints (layer, text, board x,y; h text height)
J4: Mechanical 15 "Board Edge" at 26.319,89.015 h0.38 r270
LOGO1: Top Overlay "LCLP" at 61.645,68.194 h2.03; Top Overlay "DATALOGGER" at 61.645,66.685 h2.03